# KiCad board OpenPLC_Hardware.kicad_pcb
title: Project Jaguar; date: 2023-03-09; company: OPA Foundation
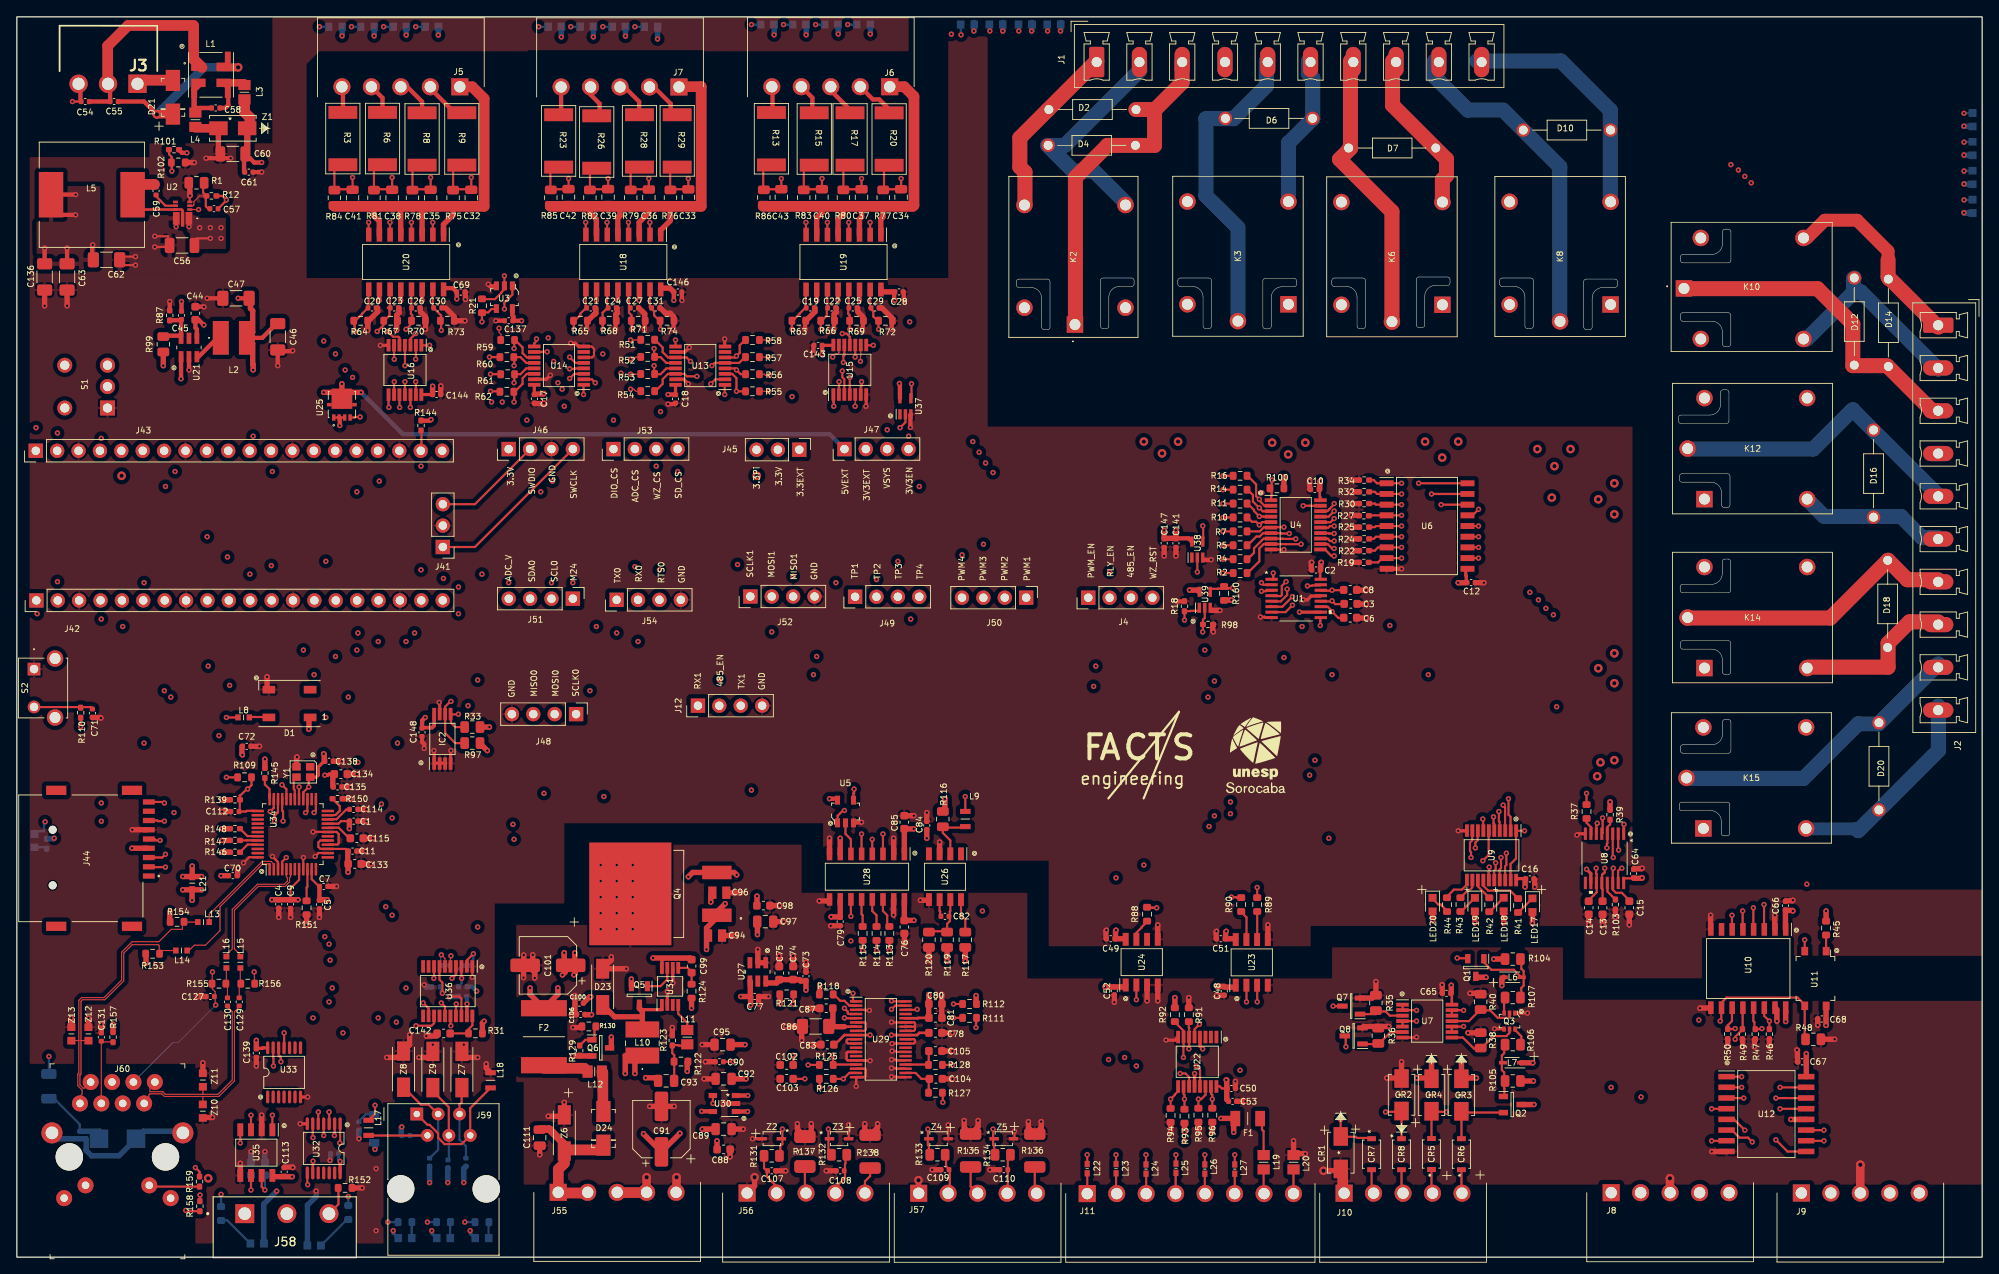
[diagram p0: board, top side]
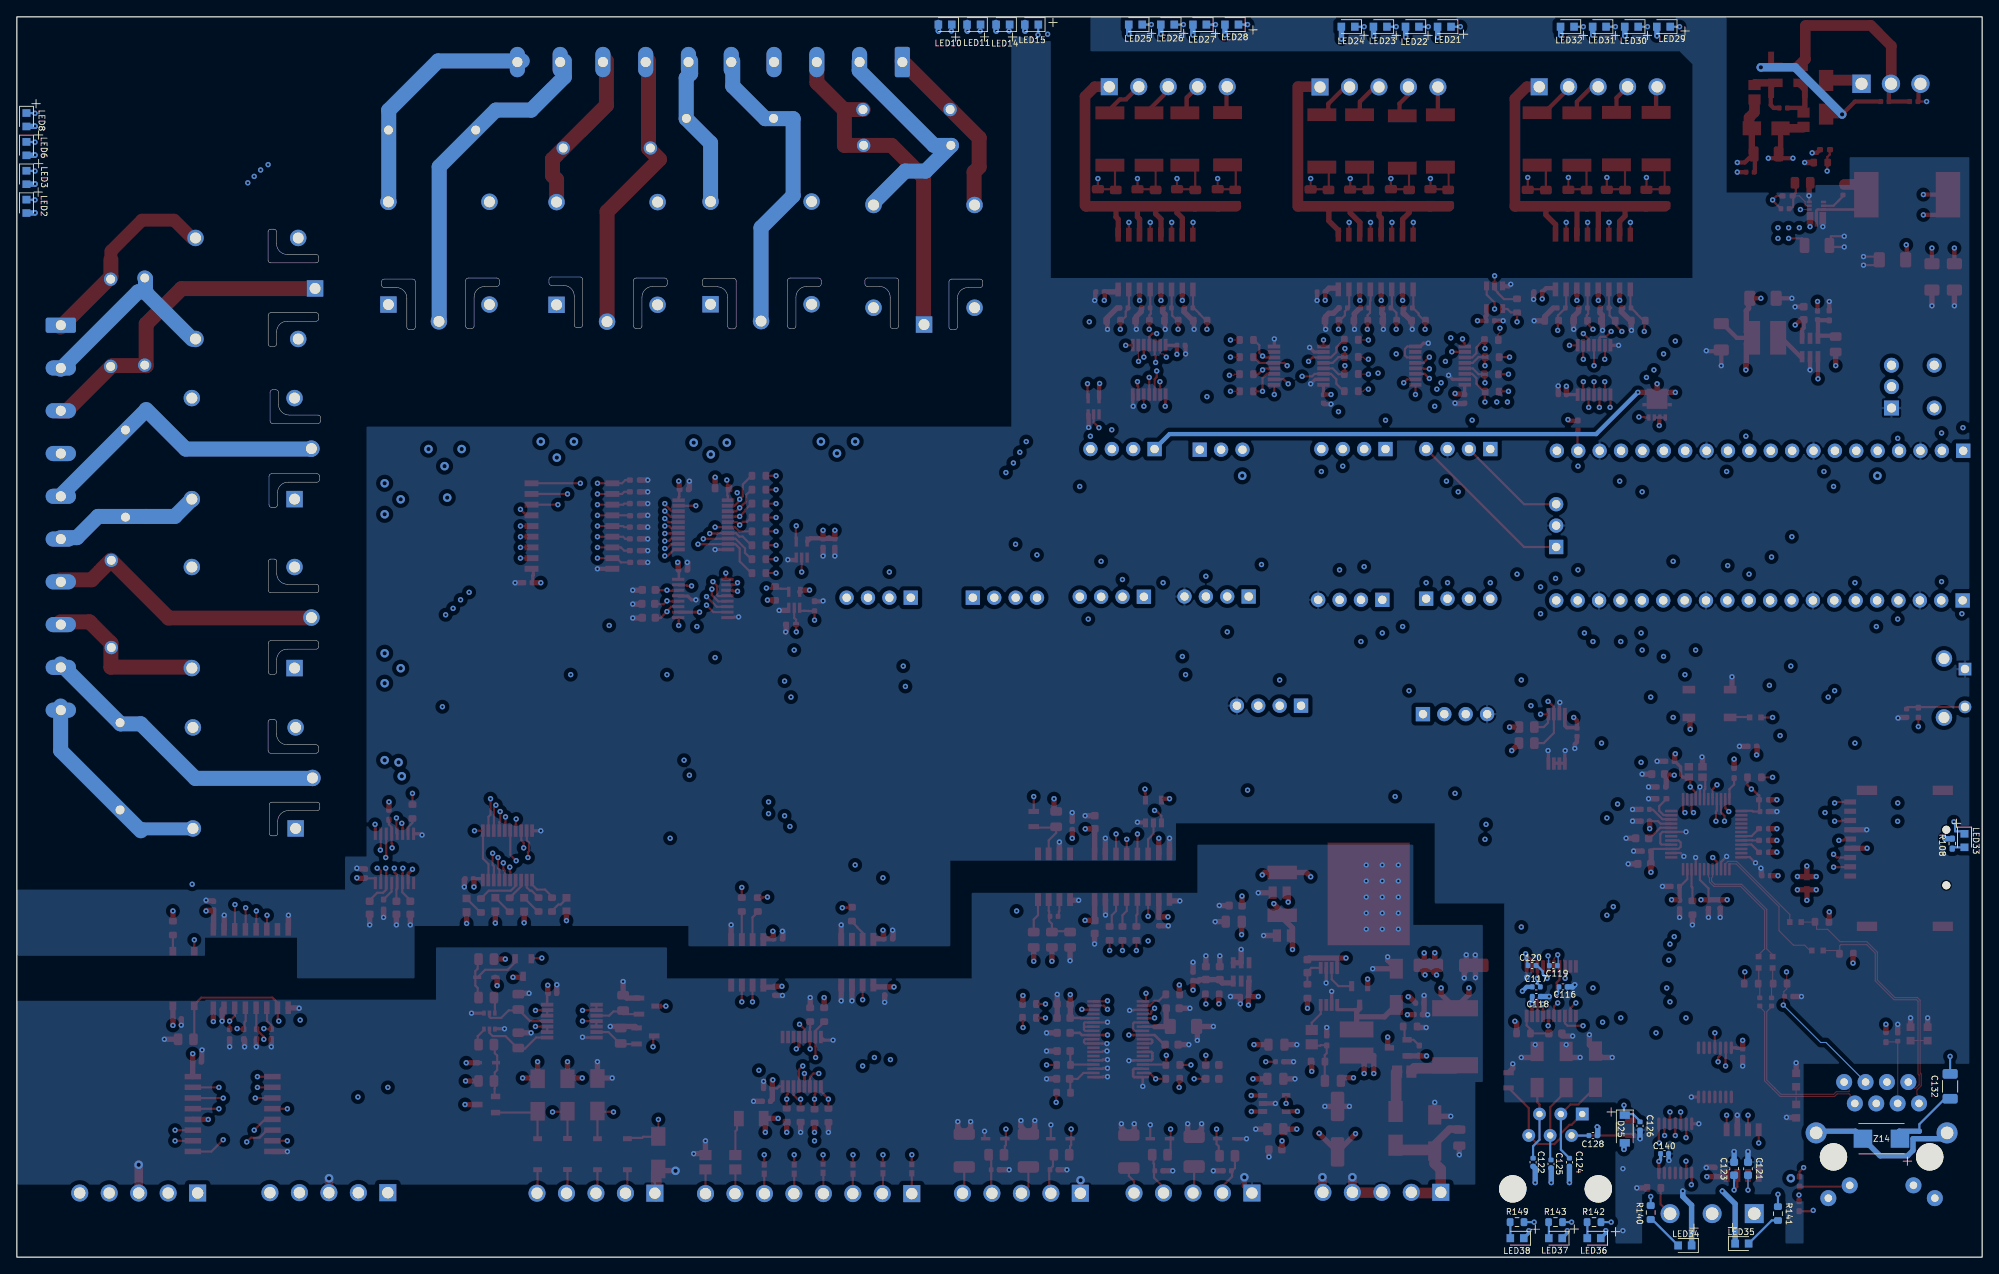
[diagram p1: board, bottom side, seen from below]

Outline 233.42 x 147.32 mm; copper layers: Top, In2.Cu, In3.Cu, Bottom. Coordinates in mm from the lower left corner of the outline.
Outline path: rectangle 0,147.32 233.42,0 ; 118.71,115.87 arc(118.8,116.08) 119.01,116.17 122.41,116.17 arc(122.62,116.08) 122.71,115.87 122.71,110.47 arc(122.62,110.26) 122.41,110.17 122.01,110.17 arc(121.8,110.26) 121.71,110.47 121.71,113.9 arc(121.34,114.8) 120.44,115.17 119.01,115.17 arc(118.8,115.26) 118.71,115.47 118.71,115.87 ; 128.69,116 arc(128.78,116.21) 129,116.3 132.4,116.3 arc(132.61,116.21) 132.69,116 132.69,115.6 arc(132.61,115.39) 132.4,115.3 130.97,115.3 arc(130.07,114.93) 129.69,114.03 129.69,110.6 arc(129.61,110.39) 129.4,110.3 129,110.3 arc(128.78,110.39) 128.69,110.6 128.69,116 ; 137.89,116 arc(137.97,116.21) 138.19,116.3 141.59,116.3 arc(141.8,116.21) 141.89,116 141.89,110.6 arc(141.8,110.38) 141.59,110.3 141.19,110.3 arc(140.97,110.38) 140.89,110.6 140.89,114.03 arc(140.52,114.93) 139.62,115.3 138.19,115.3 arc(137.97,115.38) 137.89,115.6 137.89,116 ; 147.99,115.96 arc(148.08,116.17) 148.29,116.26 151.69,116.26 arc(151.9,116.17) 151.99,115.96 151.99,115.56 arc(151.9,115.35) 151.69,115.26 150.26,115.26 arc(149.36,114.89) 148.99,113.99 148.99,110.56 arc(148.9,110.35) 148.69,110.26 148.29,110.26 arc(148.08,110.35) 147.99,110.56 147.99,115.96 ; 156.17,116 arc(156.26,116.21) 156.47,116.3 159.87,116.3 arc(160.09,116.21) 160.17,116 160.17,110.6 arc(160.09,110.38) 159.87,110.3 159.47,110.3 arc(159.26,110.38) 159.17,110.6 159.17,114.03 arc(158.8,114.93) 157.9,115.3 156.47,115.3 arc(156.26,115.38) 156.17,115.6 156.17,116 ; 166.22,116.12 arc(166.31,116.33) 166.52,116.42 169.92,116.42 arc(170.13,116.33) 170.22,116.12 170.22,115.72 arc(170.13,115.51) 169.92,115.42 168.49,115.42 arc(167.59,115.05) 167.22,114.15 167.22,110.72 arc(167.13,110.51) 166.92,110.42 166.52,110.42 arc(166.31,110.51) 166.22,110.72 166.22,116.12 ; 176.11,116 arc(176.2,116.21) 176.41,116.3 179.81,116.3 arc(180.03,116.21) 180.11,116 180.11,110.6 arc(180.03,110.38) 179.81,110.3 179.41,110.3 arc(179.2,110.38) 179.11,110.6 179.11,114.03 arc(178.74,114.93) 177.84,115.3 176.41,115.3 arc(176.2,115.38) 176.11,115.6 176.11,116 ; 186.1,115.87 arc(186.19,116.09) 186.4,116.17 189.8,116.17 arc(190.01,116.09) 190.1,115.87 190.1,115.47 arc(190.01,115.26) 189.8,115.17 188.37,115.17 arc(187.47,114.8) 187.1,113.9 187.1,110.47 arc(187.01,110.26) 186.8,110.17 186.4,110.17 arc(186.19,110.26) 186.1,110.47 186.1,115.87 ; 197.35,99.72 arc(197.44,99.93) 197.65,100.02 201.08,100.02 arc(201.98,100.39) 202.35,101.29 202.35,102.72 arc(202.44,102.93) 202.65,103.02 203.05,103.02 arc(203.26,102.93) 203.35,102.72 203.35,99.32 arc(203.26,99.11) 203.05,99.02 197.65,99.02 arc(197.44,99.11) 197.35,99.32 197.35,99.72 ; 197.44,53.74 arc(197.53,53.95) 197.74,54.04 203.14,54.04 arc(203.35,53.95) 203.44,53.74 203.44,50.34 arc(203.35,50.13) 203.14,50.04 202.74,50.04 arc(202.53,50.13) 202.44,50.34 202.44,51.77 arc(202.07,52.67) 201.17,53.04 197.74,53.04 arc(197.53,53.13) 197.44,53.34 197.44,53.74 ; 197.47,92.75 arc(197.56,92.96) 197.77,93.05 203.17,93.05 arc(203.38,92.96) 203.47,92.75 203.47,89.35 arc(203.38,89.14) 203.17,89.05 202.77,89.05 arc(202.56,89.14) 202.47,89.35 202.47,90.78 arc(202.1,91.68) 201.2,92.05 197.77,92.05 arc(197.56,92.14) 197.47,92.35 197.47,92.75 ; 197.55,79.62 arc(197.64,79.83) 197.85,79.92 201.28,79.92 arc(202.18,80.29) 202.55,81.19 202.55,82.62 arc(202.64,82.83) 202.85,82.92 203.25,82.92 arc(203.46,82.83) 203.55,82.62 203.55,79.22 arc(203.46,79.01) 203.25,78.92 197.85,78.92 arc(197.64,79.01) 197.55,79.22 197.55,79.62 ; 197.56,72.92 arc(197.65,73.13) 197.86,73.22 203.26,73.22 arc(203.48,73.13) 203.56,72.92 203.56,69.52 arc(203.48,69.31) 203.26,69.22 202.86,69.22 arc(202.65,69.31) 202.56,69.52 202.56,70.95 arc(202.19,71.85) 201.29,72.22 197.86,72.22 arc(197.65,72.31) 197.56,72.52 197.56,72.92 ; 197.57,111.87 arc(197.66,112.08) 197.87,112.17 203.27,112.17 arc(203.48,112.08) 203.57,111.87 203.57,108.47 arc(203.48,108.26) 203.27,108.17 202.87,108.17 arc(202.66,108.26) 202.57,108.47 202.57,109.9 arc(202.2,110.8) 201.3,111.17 197.87,111.17 arc(197.66,111.26) 197.57,111.47 197.57,111.87 ; 197.58,118.8 arc(197.67,119.01) 197.88,119.1 201.31,119.1 arc(202.21,119.47) 202.58,120.37 202.58,121.8 arc(202.67,122.01) 202.88,122.1 203.28,122.1 arc(203.49,122.01) 203.58,121.8 203.58,118.4 arc(203.49,118.19) 203.28,118.1 197.88,118.1 arc(197.67,118.19) 197.58,118.4 197.58,118.8 ; 197.58,60.56 arc(197.67,60.77) 197.88,60.86 201.31,60.86 arc(202.21,61.23) 202.58,62.13 202.58,63.56 arc(202.67,63.77) 202.88,63.86 203.28,63.86 arc(203.49,63.77) 203.58,63.56 203.58,60.16 arc(203.49,59.95) 203.28,59.86 197.88,59.86 arc(197.67,59.95) 197.58,60.16 197.58,60.56
Stack: Top 0.035mm / dielectric 1.51mm FR4 er 4.5 / In2.Cu 0.035mm / dielectric 1.51mm FR4 er 4.5

## Placement (name value [footprint] x y rotation side)
C1  GRM155R71H104KE14D  [C_0402_1005Metric]  40 51.79 0 top
C2  GRM155R71H104KE14D  [C_0402_1005Metric]  154.31 81.62 180 top
C3  CL10C220JB8NFNC  [C_0603_1608Metric]  158.42 77.6 180 top
C4  GRM155R71H104KE14D  [C_0402_1005Metric]  31.11 41.92 270 top
C5  GRM155R71H104KE14D  [C_0402_1005Metric]  35.94 41.88 270 top
C6  CL10C220JB8NFNC  [C_0603_1608Metric]  158.37 75.95 180 top
C7  GRM155R71H104KE14D  [C_0402_1005Metric]  36.45 44.04 0 top
C8  CL10C220JB8NFNC  [C_0603_1608Metric]  158.37 79.25 180 top
C9  GRM155R71H104KE14D  [C_0402_1005Metric]  32.5 41.92 270 top
C10  GRM155R71H104KE14D  [C_0402_1005Metric]  154.16 91.18 180 top
C11  GRM155R71H104KE14D  [C_0402_1005Metric]  39.88 48.23 0 top
C12  GRM155R71H104KE14D  [C_0402_1005Metric]  172.72 80.12 0 top
C13  CL10C220JB8NFNC  [C_0603_1608Metric]  188.34 41.5 90 top
C14  CL10C220JB8NFNC  [C_0603_1608Metric]  186.69 41.5 90 top
C15  CL10C220JB8NFNC  [C_0603_1608Metric]  191.51 41.5 90 top
C16  C1005X7R1E103K050BB  [C_0402_1005Metric]  179.7 44.93 0 top
C17  GRM155R71H104KE14D  [C_0402_1005Metric]  61.47 101.95 270 top
C18  GRM155R71H104KE14D  [C_0402_1005Metric]  78.23 101.94 270 top
C19  GRM155R71H104KE14D  [C_0402_1005Metric]  94.23 112.75 0 top
C20  GRM155R71H104KE14D  [C_0402_1005Metric]  42.19 112.75 0 top
C21  GRM155R71H104KE14D  [C_0402_1005Metric]  68.16 112.75 0 top
C22  GRM155R71H104KE14D  [C_0402_1005Metric]  96.77 112.75 0 top
C23  GRM155R71H104KE14D  [C_0402_1005Metric]  44.83 112.75 0 top
C24  GRM155R71H104KE14D  [C_0402_1005Metric]  70.71 112.75 0 top
C25  GRM155R71H104KE14D  [C_0402_1005Metric]  99.3 112.75 0 top
C26  GRM155R71H104KE14D  [C_0402_1005Metric]  47.37 112.75 0 top
C27  GRM155R71H104KE14D  [C_0402_1005Metric]  73.34 112.75 0 top
C28  GRM155R71H104KE14D  [C_0402_1005Metric]  104.77 114.65 180 top
C29  GRM155R71H104KE14D  [C_0402_1005Metric]  101.94 112.75 0 top
C30  GRM155R71H104KE14D  [C_0402_1005Metric]  49.98 112.75 0 top
C31  GRM155R71H104KE14D  [C_0402_1005Metric]  75.88 112.75 0 top
C32  GCM21BR72A104KA37L  [C_0805_2012Metric]  53.97 125.83 90 top
C33  GCM21BR72A104KA37L  [C_0805_2012Metric]  79.76 125.88 90 top
C34  GCM21BR72A104KA37L  [C_0805_2012Metric]  105.02 125.9 90 top
C35  GCM21BR72A104KA37L  [C_0805_2012Metric]  49.15 125.83 90 top
C36  GCM21BR72A104KA37L  [C_0805_2012Metric]  75.07 125.86 90 top
C37  GCM21BR72A104KA37L  [C_0805_2012Metric]  100.32 125.89 90 top
C38  GCM21BR72A104KA37L  [C_0805_2012Metric]  44.57 125.83 90 top
C39  GCM21BR72A104KA37L  [C_0805_2012Metric]  70.22 125.91 90 top
C40  GCM21BR72A104KA37L  [C_0805_2012Metric]  95.62 125.9 90 top
C41  GCM21BR72A104KA37L  [C_0805_2012Metric]  39.88 125.83 90 top
C42  GCM21BR72A104KA37L  [C_0805_2012Metric]  65.52 125.91 90 top
C43  GCM21BR72A104KA37L  [C_0805_2012Metric]  90.8 125.9 90 top
C44  GRM188R61A106KE69J  [C_0603_1608Metric]  21.21 112.11 90 top
C45  CL05C270JB5NNNC  [C_0402_1005Metric]  19.55 111.86 270 top
C46  CL31A226KAHNNNE  [C_1206_3216Metric_Pad1.33x1.80mm_HandSolder]  30.98 109.32 270 top
C47  CL31A226KAHNNNE  [C_1206_3216Metric_Pad1.33x1.80mm_HandSolder]  26.03 113.89 180 top
C48  GRM155R71H104KE14D  [C_0402_1005Metric]  143.4 31.6 270 top
C49  GRM155R71H104KE14D  [C_0402_1005Metric]  129.92 37.82 180 top
C50  GRM155R71H104KE14D  [C_0402_1005Metric]  144.25 20.04 0 top
C51  GRM155R71H104KE14D  [C_0402_1005Metric]  143 37.82 180 top
C52  GRM155R71H104KE14D  [C_0402_1005Metric]  130.34 31.62 270 top
C53  GRM155R71H104KE14D  [C_0402_1005Metric]  144.4 18.51 0 top
C54  GRM155R71H104KE14D  [C_0402_1005Metric]  8.12 137.26 0 top
C55  GRM155R71H104KE14D  [C_0402_1005Metric]  11.55 137.26 180 top
C56  C3216X5R1H106K160AB  [C_1206_3216Metric]  19.62 120.17 180 top
C57  CC0402JRNPO9BN100  [C_0402_1005Metric]  23.42 124.53 0 top
C58  GRM155R71H104KE14D  [C_0402_1005Metric]  23.62 136.5 180 top
C59  GRM155R71H104KE14D  [C_0402_1005Metric]  16.53 126.64 90 top
C60  C3216X5R1H106K160AB  [C_1206_3216Metric]  25.65 131.03 180 top
C61  GRM155R71H104KE14D  [C_0402_1005Metric]  27.56 128.88 0 top
C62  CL31A226KAHNNNE  [C_1206_3216Metric_Pad1.33x1.80mm_HandSolder]  10.65 118.46 0 top
C63  CL31A226KAHNNNE  [C_1206_3216Metric_Pad1.33x1.80mm_HandSolder]  5.97 116.43 270 top
C64  GRM155R71H104KE14D  [C_0402_1005Metric]  192.02 45.56 90 top
C65  GRM155R71H104KE14D  [C_0402_1005Metric]  169.8 31.34 180 top
C66  GRM155R71H104KE14D  [C_0402_1005Metric]  210.06 41.75 90 top
C67  GRM155R71H104KE14D  [C_0402_1005Metric]  212.03 23.2 180 top
C68  GRM155R71H104KE14D  [C_0402_1005Metric]  214.37 28.29 180 top
C69  GRM155R71H104KE14D  [C_0402_1005Metric]  52.73 114.63 180 top
C70  GRM155R71H104KE14D  [C_0402_1005Metric]  25.65 45.31 0 top
C71  GRM155R71H104KE14D  [C_0402_1005Metric]  8.97 64.62 270 top
C72  GRM155R71H104KE14D  [C_0402_1005Metric]  27.3 60.68 0 top
C73  GRM155R71H104KE14D  [C_0402_1005Metric]  93.72 33.37 90 top
C74  CC0603KRX5R6BB475  [C_0603_1608Metric]  92.2 33.75 90 top
C75  CC0603KRX5R6BB475  [C_0603_1608Metric]  90.55 33.74 90 top
C76  0603ZD105KAT2A  [C_0603_1608Metric]  105.41 39.21 270 top
C77  GRM155R71H104KE14D  [C_0402_1005Metric]  87.63 30.96 0 top
C78  0603ZD105KAT2A  [C_0603_1608Metric]  109.1 26.64 0 top
C79  GRM155R71H104KE14D  [C_0402_1005Metric]  97.79 39.85 270 top
C80  0603ZD105KAT2A  [C_0603_1608Metric]  109.1 30.07 0 top
C81  GRM188R61A106KE69J  [C_0603_1608Metric]  109.1 28.42 0 top
C82  GRM155R71H104KE14D  [C_0402_1005Metric]  110.23 40.48 0 top
C83  0603ZD105KAT2A  [C_0603_1608Metric]  96.26 25.24 180 top
C84  GRM155R71H104KE14D  [C_0402_1005Metric]  108.07 51.28 90 top
C85  0603ZD105KAT2A  [C_0603_1608Metric]  105.41 51.66 90 top
C86  CL31A226KAHNNNE  [C_1206_3216Metric_Pad1.33x1.80mm_HandSolder]  94.87 27.4 0 top
C87  0603ZD105KAT2A  [C_0603_1608Metric]  96.14 29.56 0 top
C88  0603ZD105KAT2A  [C_0603_1608Metric]  83.94 12.8 0 top
C89  0805X475K250CT  [C_0805_2012Metric]  83.94 15.21 0 top
C90  C1005X7R1E103K050BB  [C_0402_1005Metric]  83.44 23.21 180 top
C91  UWX1C101MCL1GB  [CP_Elec_6.3x5.4_Nichicon]  76.56 15.21 90 top
C92  0805X475K250CT  [C_0805_2012Metric]  83.94 21.18 180 top
C93  08055A471JAT2A  [C_0805_2012Metric]  77.11 20.94 0 top
C94  GJ821BR61E106KE11L  [CAPC2012X145N]  82.93 38.2 0 top
C95  0805X475K250CT  [C_0805_2012Metric]  83.82 25.24 180 top
C96  GJ821BR61E106KE11L  [CAPC2012X145N]  83.44 43.29 0 top
C97  0805X475K250CT  [C_0805_2012Metric]  88.89 39.85 0 top
C98  0603ZD105KAT2A  [C_0603_1608Metric]  88.67 41.76 0 top
C99  CC0603KRX7R9BB102  [C_0603_1608Metric]  80.14 34.57 270 top
C100  GRM155R71H104KE14D  [C_0402_1005Metric]  66.8 30.18 180 top
C101  UWD1H220MCL1GS  [CP_Elec_6.3x5.8]  63.08 34.66 180 top
C102  CC0603KRX7R9BB102  [C_0603_1608Metric]  91.44 22.83 180 top
C103  CC0603KRX7R9BB102  [C_0603_1608Metric]  91.44 21.18 180 top
C104  CC0603KRX7R9BB102  [C_0603_1608Metric]  109.16 21.18 0 top
C105  CC0603KRX7R9BB102  [C_0603_1608Metric]  109.1 24.48 0 top
C106  GRM155R71H104KE14D  [C_0402_1005Metric]  66.96 28.83 180 top
C107  GRM155R71H104KE14D  [C_0402_1005Metric]  89.66 10.26 0 top
C108  GRM155R71H104KE14D  [C_0402_1005Metric]  97.79 10.26 180 top
C109  GRM155R71H104KE14D  [C_0402_1005Metric]  110.23 10.38 180 top
C110  GRM155R71H104KE14D  [C_0402_1005Metric]  117.22 10.38 180 top
C111  GCM21BR72A104KA37L  [C_0805_2012Metric]  62.1 14.19 270 top
C112  GRM155R71H104KE14D  [C_0402_1005Metric]  25.91 52.93 180 top
C113  GRM155R71H104KE14D  [C_0402_1005Metric]  31.75 10.13 90 top
C114  C1005X7R1E103K050BB  [C_0402_1005Metric]  40 53.18 0 top
C115  CC0603KRX5R6BB475  [C_0603_1608Metric]  40.38 49.75 0 top
C116  GRM155R71H104KE14D  [C_0402_1005Metric]  49.78 32.1 0 bottom
C117  GRM155R71H104KE14D  [C_0402_1005Metric]  52.96 32.1 180 bottom
C118  GRM155R71H104KE14D  [C_0402_1005Metric]  52.96 30.96 180 bottom
C119  GRM155R71H104KE14D  [C_0402_1005Metric]  50.92 34.63 180 bottom
C120  GRM155R71H104KE14D  [C_0402_1005Metric]  53.46 34.64 180 bottom
C121  CC0603KRX7R9BB102  [C_0603_1608Metric]  27.81 10.51 90 bottom
C122  CL10C470JB8NNNC  [C_0402_1005Metric]  53.34 11.27 270 bottom
C123  CC0603KRX7R9BB102  [C_0603_1608Metric]  29.46 10.51 90 bottom
C124  CL10C470JB8NNNC  [C_0402_1005Metric]  49.02 11.27 270 bottom
C125  CL10C470JB8NNNC  [C_0402_1005Metric]  51.21 11.07 270 bottom
C126  GRM155R71H104KE14D  [C_0402_1005Metric]  40.64 15.59 270 bottom
C127  C1005X7R1E103K050BB  [C_0402_1005Metric]  22.98 30.96 180 top
C128  GRM155R71H104KE14D  [C_0402_1005Metric]  46.22 14.45 180 bottom
C129  C1005X7R1E103K050BB  [C_0402_1005Metric]  26.41 30.32 90 top
C130  C1005X7R1E103K050BB  [C_0402_1005Metric]  25.02 30.32 90 top
C131  GRM155R71H104KE14D  [C_0402_1005Metric]  10.03 26.13 90 top
C132  12061A222JAT2A  [C_1206_3216Metric]  3.81 20.29 90 bottom
C133  GRM188R61A106KE69J  [C_0603_1608Metric]  40.13 46.71 0 top
C134  GRM188R61A106KE69J  [C_0603_1608Metric]  38.48 57.37 0 top
C135  GRM155R71H104KE14D  [C_0402_1005Metric]  38.1 55.85 0 top
C136  CL31A226KAHNNNE  [C_1206_3216Metric_Pad1.33x1.80mm_HandSolder]  3.3 116.43 270 top
C137  GRM155R71H104KE14D  [C_0402_1005Metric]  58.42 111.22 0 top
C138  C1005X7R1E103K050BB  [C_0402_1005Metric]  37.08 58.9 180 top
C139  GRM155R71H104KE14D  [C_0402_1005Metric]  28.45 24.23 270 top
C140  GRM155R71H104KE14D  [C_0402_1005Metric]  37.72 12.29 180 bottom
C141  GRM155R71H104KE14D  [C_0402_1005Metric]  137.66 84.81 270 top
C142  0603ZD105KAT2A  [C_0603_1608Metric]  50.69 26.57 0 top
C143  GRM155R71H104KE14D  [C_0402_1005Metric]  95.16 108.3 180 top
C144  GRM155R71H104KE14D  [C_0402_1005Metric]  49.86 102.46 0 top
C146  GRM155R71H104KE14D  [C_0402_1005Metric]  78.51 114.64 0 top
C147  GRM155R71H104KE14D  [C_0402_1005Metric]  136.27 84.81 270 top
C148  GRM155R71H104KE14D  [C_0402_1005Metric]  48.12 62.34 270 top
CR1  -  [SMAJ28A-TR]  157.24 12.41 270 top
CR2  -  [SMAJ28A-TR]  164.46 19.29 90 top
CR3  -  [SMAJ28A-TR]  171.56 19.25 270 top
CR4  -  [SMAJ28A-TR]  168.02 19.26 270 top
CR5  -  [SM5819PL-TP]  168.02 12.25 90 top
CR6  -  [SM5819PL-TP]  171.57 12.23 90 top
CR7  -  [SM5819PL-TP]  160.9 12.23 270 top
CR8  -  [SM5819PL-TP]  164.46 12.23 270 top
D1  WS2812B  [LED_WS2812B_PLCC4_5.0x5.0mm_P3.2mm]  32.38 65.76 180 top
D2  P4KE350CA  [DIOAD1036W78L470D235]  127.75 136.31 0 top
D4  P4KE350CA  [DIOAD1036W78L470D235]  127.67 132.06 0 top
D6  P4KE350CA  [DIOAD1036W78L470D235]  148.72 135.26 180 top
D7  P4KE350CA  [DIOAD1036W78L470D235]  163.35 131.74 180 top
D10  P4KE350CA  [DIOAD1036W78L470D235]  184.1 133.87 180 top
D12  P4KE350CA  [DIOAD1036W78L470D235]  218.23 111.13 270 top
D14  P4KE350CA  [DIOAD1036W78L470D235]  222.28 110.98 270 top
D16  P4KE350CA  [DIOAD1036W78L470D235]  220.52 93.07 90 top
D18  P4KE350CA  [DIOAD1036W78L470D235]  222.2 77.59 90 top
D20  P4KE350CA  [DIOAD1036W78L470D235]  221.16 58.3 90 top
D21  B240A-13-F  [DO-214AC]  18.54 137.77 90 top
D23  B1100-13-F  [DIOM5226X230N]  69.58 32.11 90 top
D24  B340-13-F  [DO-214AC]  69.67 15.3 90 top
D25  MBR0530-TP  [D_SOD-123]  42.45 15.23 270 bottom
F1  1206L025YR  [FUSC3216X100N]  146.19 16.46 0 top
F2  0ZCF0100AF2A  [FUSC7451X170N]  62.6 26.18 270 top
G***  -  [LOGO]  147.43 59.5 0 top
IC2  M24C01-RDW6TP  [SOP65P640X120-8N]  50.54 61.57 90 top
J1  TBP04R2-500-10BE  [PhoenixContact_MCV_1,5_10-G-5.08_1x10_P5.08mm_Vertical]  128.25 141.95 0 top
J2  TBP04R2-500-10BE  [PhoenixContact_MCV_1,5_10-G-5.08_1x10_P5.08mm_Vertical]  228.2 110.69 270 top
J3  2350514-3  [SHDRRA3W90P0X350_1X3_1110X920X691P]  14.33 149.03 180 top
J4  PR20204VBNN  [PinHeader_1x04_P2.54mm_Vertical]  127.25 78.33 90 top
J5  284512-5  [SHDRRA5W82P0X350_1X5_1980X920X745P#2]  38.39 139.01 0 top
J6  284512-5  [SHDRRA5W82P0X350_1X5_1980X920X745P#2]  89.45 139.02 0 top
J7  284512-5  [SHDRRA5W82P0X350_1X5_1980X920X745P#2]  64.42 138.99 0 top
J8  284512-5  [SHDRRA5W82P0X350_1X5_1980X920X745P]  189.36 0.55 0 top
J9  284512-5  [SHDRRA5W82P0X350_1X5_1980X920X745P]  211.95 0.51 0 top
J10  284512-5  [SHDRRA5W82P0X350_1X5_1980X920X745P]  157.64 0.49 0 top
J11  5441391  [SHDRRA8W83P0X350_1X8_2940X920X755P]  127.13 7.55 180 top
J12  PR20204VBNN  [PinHeader_1x04_P2.54mm_Vertical]  80.9 65.5 90 top
J41  PH1-03-UA  [PinHeader_1x03_P2.54mm_Vertical]  50.6 84.35 180 top
J42  PH1-20-UA  [PinHeader_1x20_P2.54mm_Vertical]  2.32 78 90 top
J43  PH1-20-UA  [PinHeader_1x20_P2.54mm_Vertical]  2.25 95.78 90 top
J44  MEM2075-00-140-01-A  [MEM20750014001A]  7.95 47.37 270 top
J45  PH1-03-UA  [PinHeader_1x03_P2.54mm_Vertical]  92.93 95.91 270 top
J46  PR20204VBNN  [PinHeader_1x04_P2.54mm_Vertical]  58.42 95.98 90 top
J47  PR20204VBNN  [PinHeader_1x04_P2.54mm_Vertical]  98.29 95.98 90 top
J48  PR20204VBNN  [PinHeader_1x04_P2.54mm_Vertical]  66.42 64.5 270 top
J49  PR20204VBNN  [PinHeader_1x04_P2.54mm_Vertical]  99.56 78.44 90 top
J50  PR20204VBNN  [PinHeader_1x04_P2.54mm_Vertical]  119.88 78.33 270 top
J51  PR20204VBNN  [PinHeader_1x04_P2.54mm_Vertical]  66.04 78.21 270 top
J52  PR20204VBNN  [PinHeader_1x04_P2.54mm_Vertical]  87.12 78.47 90 top
J53  PR20204VBNN  [PinHeader_1x04_P2.54mm_Vertical]  70.86 95.98 90 top
J54  PR20204VBNN  [PinHeader_1x04_P2.54mm_Vertical]  71.24 78.08 90 top
J55  284512-5  [SHDRRA5W82P0X350_1X5_1980X920X745P#2]  78.52 7.7 180 top
J56  284512-5  [SHDRRA5W82P0X350_1X5_1980X920X745P#2]  100.95 7.62 180 top
J57  284512-5  [SHDRRA5W82P0X350_1X5_1980X920X745P#2]  121.33 7.59 180 top
J58  796644-3  [TE_796644-3]  31.82 1.17 0 top
J59  1705950-1  [RJ12_Amphenol_54601]  47.5 17 0 top
J60  RB1-125BAG1A  [RJ45_Female_RB1-125BAG1A]  7.5 18.26 0 top
K2  AZ943-1CH-24DEF  [AZ9431CH24DE]  125.67 110.77 90 top
K3  833H-1A-F-S-24VDC  [833H1CFS24VDC]  151.03 113.18 90 top
K6  833H-1A-F-S-24VDC  [833H1CFS24VDC]  169.32 113.12 90 top
K8  833H-1A-F-S-24VDC  [833H1CFS24VDC]  189.29 113.15 90 top
K10  AZ943-1CH-24DEF  [AZ9431CH24DE]  198 115.06 0 top
K12  833H-1A-F-S-24VDC  [833H1CFS24VDC]  200.44 90.04 0 top
K14  833H-1A-F-S-24VDC  [833H1CFS24VDC]  200.44 69.97 0 top
K15  833H-1A-F-S-24VDC  [833H1CFS24VDC]  200.31 50.92 0 top
L1  DLW5BTM142TQ2L  [FIL_DLW5BTM142TQ2L]  23.06 140.43 90 top
L2  VLS4020CX-2R2M-H  [VLS4020CX]  25.78 109.19 0 top
L3  MPZ2012S331AT000  [INDC2012X105N]  27.03 138.37 270 top
L4  MPZ2012S331AT000  [INDC2012X105N]  21.21 135.1 270 top
L5  SRR1240-101M  [IND_SRR1240-101M]  8.91 126.19 180 top
L6  DDZ20ASF-7  [SODFL2512X75N]  177.67 33.24 0 top
L7  DDZ20ASF-7  [SODFL2512X75N]  177.58 23.1 180 top
L8  BLM18BD221SN1D  [BLM18AG102BH1D]  26.94 64.11 0 top
L9  BLM21AG471SN1D  [BLM21AG102BH1J]  112.65 52.04 270 top
L10  VLS4015CX-220M-H  [VLS4015CX100MH]  74.29 25.5 90 top
L11  MPZ2012S331AT000  [INDC2012X105N]  79.63 26.13 90 top
L12  MPZ2012S331AT000  [INDC2012X105N]  68.64 22.04 0 top
L13  BLM18PG330SN1D  [BLM18AG102BH1D]  22.17 39.8 0 top
L14  BLM18PG330SN1D  [BLM18AG102BH1D]  19.55 36.42 0 top
L15  BLM18PG330SN1D  [BLM18AG102BH1D]  26.55 35.02 90 top
L16  BLM18PG330SN1D  [BLM18AG102BH1D]  24.89 35.02 90 top
L17  BLM21PG600SN1D  [BLM21AG102BH1J]  41.78 15.36 90 top
L18  BLM21PG600SN1D  [BLM21AG102BH1J]  56.26 21.01 90 top
L19  MPZ2012S331AT000  [INDC2012X105N]  148.08 11.27 270 top
L20  MPZ2012S331AT000  [INDC2012X105N]  151.63 11.27 270 top
L21  BLM18BD221SN1D  [BLM18AG102BH1D]  20.82 44.42 270 top
L22  BLM15HG102SN1D  [BEADC1005X55N]  127.12 10.51 270 top
L23  BLM15HG102SN1D  [BEADC1005X55N]  130.55 10.51 270 top
L24  BLM15HG102SN1D  [BEADC1005X55N]  134.11 10.46 270 top
L25  BLM15HG102SN1D  [BEADC1005X55N]  137.66 10.56 270 top
L26  BLM15HG102SN1D  [BEADC1005X55N]  141.09 10.46 270 top
L27  BLM15HG102SN1D  [BEADC1005X55N]  144.65 10.46 270 top
LED2  HSMS-C197  [LEDC1608X60N]  232.28 124.81 270 bottom
LED3  HSMS-C197  [LEDC1608X60N]  232.28 128.24 270 bottom
LED6  HSMS-C197  [LEDC1608X60N]  232.28 131.67 270 bottom
LED8  HSMS-C197  [LEDC1608X60N]  232.28 135.1 270 bottom
LED10  HSMS-C197  [LEDC1608X60N]  123.17 146.4 0 bottom
LED11  HSMS-C197  [LEDC1608X60N]  119.76 146.4 0 bottom
LED14  HSMS-C197  [LEDC1608X60N]  116.31 146.4 0 bottom
LED15  HSMS-C197  [LEDC1608X60N]  112.9 146.4 0 bottom
LED17  HSMS-C197  [LEDC1608X60N]  180.01 41.81 270 top
LED18  HSMS-C197  [LEDC1608X60N]  176.59 41.89 270 top
LED19  HSMS-C197  [LEDC1608X60N]  173.17 41.88 270 top
LED20  HSMS-C197  [LEDC1608X60N]  168.15 41.88 270 top
LED21  HSMS-C197  [LEDC1608X60N]  63.88 146.15 0 bottom
LED22  HSMS-C197  [LEDC1608X60N]  67.69 146.15 0 bottom
LED23  HSMS-C197  [LEDC1608X60N]  71.5 146.15 0 bottom
LED24  HSMS-C197  [LEDC1608X60N]  75.31 146.15 0 bottom
LED25  HSMS-C197  [LEDC1608X60N]  100.56 146.4 0 bottom
LED26  HSMS-C197  [LEDC1608X60N]  96.75 146.4 0 bottom
LED27  HSMS-C197  [LEDC1608X60N]  92.94 146.4 0 bottom
LED28  HSMS-C197  [LEDC1608X60N]  89.13 146.4 0 bottom
LED29  HSMS-C197  [LEDC1608X60N]  37.84 146.15 0 bottom
LED30  HSMS-C197  [LEDC1608X60N]  41.65 146.15 0 bottom
LED31  HSMS-C197  [LEDC1608X60N]  45.46 146.15 0 bottom
LED32  HSMS-C197  [LEDC1608X60N]  49.27 146.15 0 bottom
LED33  HSMG-C680  [LEDC1608X60N]  2.1 49.48 270 bottom
LED34  HSMG-C680  [LEDC1608X60N]  35.31 1.39 0 bottom
LED35  HSMG-C680  [LEDC1608X60N]  28.54 1.61 180 bottom
LED36  HSMG-C680  [LEDC1608X60N]  46.1 2.26 0 bottom
LED37  HSMG-C680  [LEDC1608X60N]  50.67 2.26 0 bottom
LED38  HSMG-C680  [LEDC1608X60N]  55.24 2.26 0 bottom
Q1  DMP6350SQ-7  [SOT96P240X110-3N]  173.28 34.4 270 top
Q2  DMP6350SQ-7  [SOT96P240X110-3N]  177.61 18.13 0 top
Q3  2N7002DW  [SOT-363]  177.29 28.04 180 top
Q4  L7805CD2T-TR  [L7805CD2T]  78 43.15 90 top
Q5  PJA3439-AU_R1_000A1  [SOT95P237X112-3N]  73.94 31.09 270 top
Q6  MMBT2907A-7-F  [SOT96P240X100-3N]  69.35 24.86 0 top
Q7  2N7002L  [SOT96P237X111-3N]  158.48 29.82 180 top
Q8  2N7002L  [SOT96P237X111-3N]  158.77 26.28 180 top
R1  RR1220P-4751-D-M  [R_0805_2012Metric]  21.33 127.61 180 top
R2  ERJ-3EKF4750V  [R_0603_1608Metric]  145.28 81.25 180 top
R3  CRM2512-JW-302ELF  [WF25P302JTL]  38.72 132.99 270 top
R4  ERJ-3EKF4750V  [R_0603_1608Metric]  145.28 82.9 180 top
R5  ERJ-3EKF4750V  [R_0603_1608Metric]  145.28 84.55 180 top
R6  CRM2512-JW-302ELF  [WF25P302JTL]  43.43 132.99 270 top
R7  ERJ-3EKF4750V  [R_0603_1608Metric]  145.28 86.2 180 top
R8  CRM2512-JW-302ELF  [WF25P302JTL]  48.13 132.94 270 top
R9  CRM2512-JW-302ELF  [WF25P302JTL]  52.85 132.95 270 top
R10  ERJ-3EKF4750V  [R_0603_1608Metric]  145.28 87.85 180 top
R11  ERJ-3EKF4750V  [R_0603_1608Metric]  145.28 89.51 180 top
R12  RC0402FR-0726K1L  [R_0402_1005Metric_Pad0.72x0.64mm_HandSolder]  23.11 126.05 0 top
R13  CRM2512-JW-302ELF  [WF25P302JTL]  89.62 132.97 270 top
R14  ERJ-3EKF4750V  [R_0603_1608Metric]  145.28 91.16 180 top
R15  CRM2512-JW-302ELF  [WF25P302JTL]  94.71 132.94 270 top
R16  ERJ-3EKF4750V  [R_0603_1608Metric]  145.28 92.81 180 top
R17  CRM2512-JW-302ELF  [WF25P302JTL]  98.96 132.94 270 top
R18  RC0402FR-0710KL  [R_0402_1005Metric_Pad0.72x0.64mm_HandSolder]  138.68 77.31 90 top
R19  RC0402FR-0710KL  [R_0402_1005Metric_Pad0.72x0.64mm_HandSolder]  159.97 82.52 180 top
R20  CRM2512-JW-302ELF  [WF25P302JTL]  103.6 132.93 270 top
R21  RC0603JR-070RL  [R_0603_1608Metric]  55.24 113 270 top
R22  RC0402FR-0710KL  [R_0402_1005Metric_Pad0.72x0.64mm_HandSolder]  160.02 83.92 180 top
R23  CRM2512-JW-302ELF  [WF25P302JTL]  64.35 132.71 270 top
R24  RC0402FR-0710KL  [R_0402_1005Metric_Pad0.72x0.64mm_HandSolder]  160.02 85.31 180 top
R25  RC0402FR-0710KL  [R_0402_1005Metric_Pad0.72x0.64mm_HandSolder]  160.02 86.71 180 top
R26  CRM2512-JW-302ELF  [WF25P302JTL]  68.87 132.58 270 top